# KiCad board FrontEnd_5G.kicad_pcb (continued)
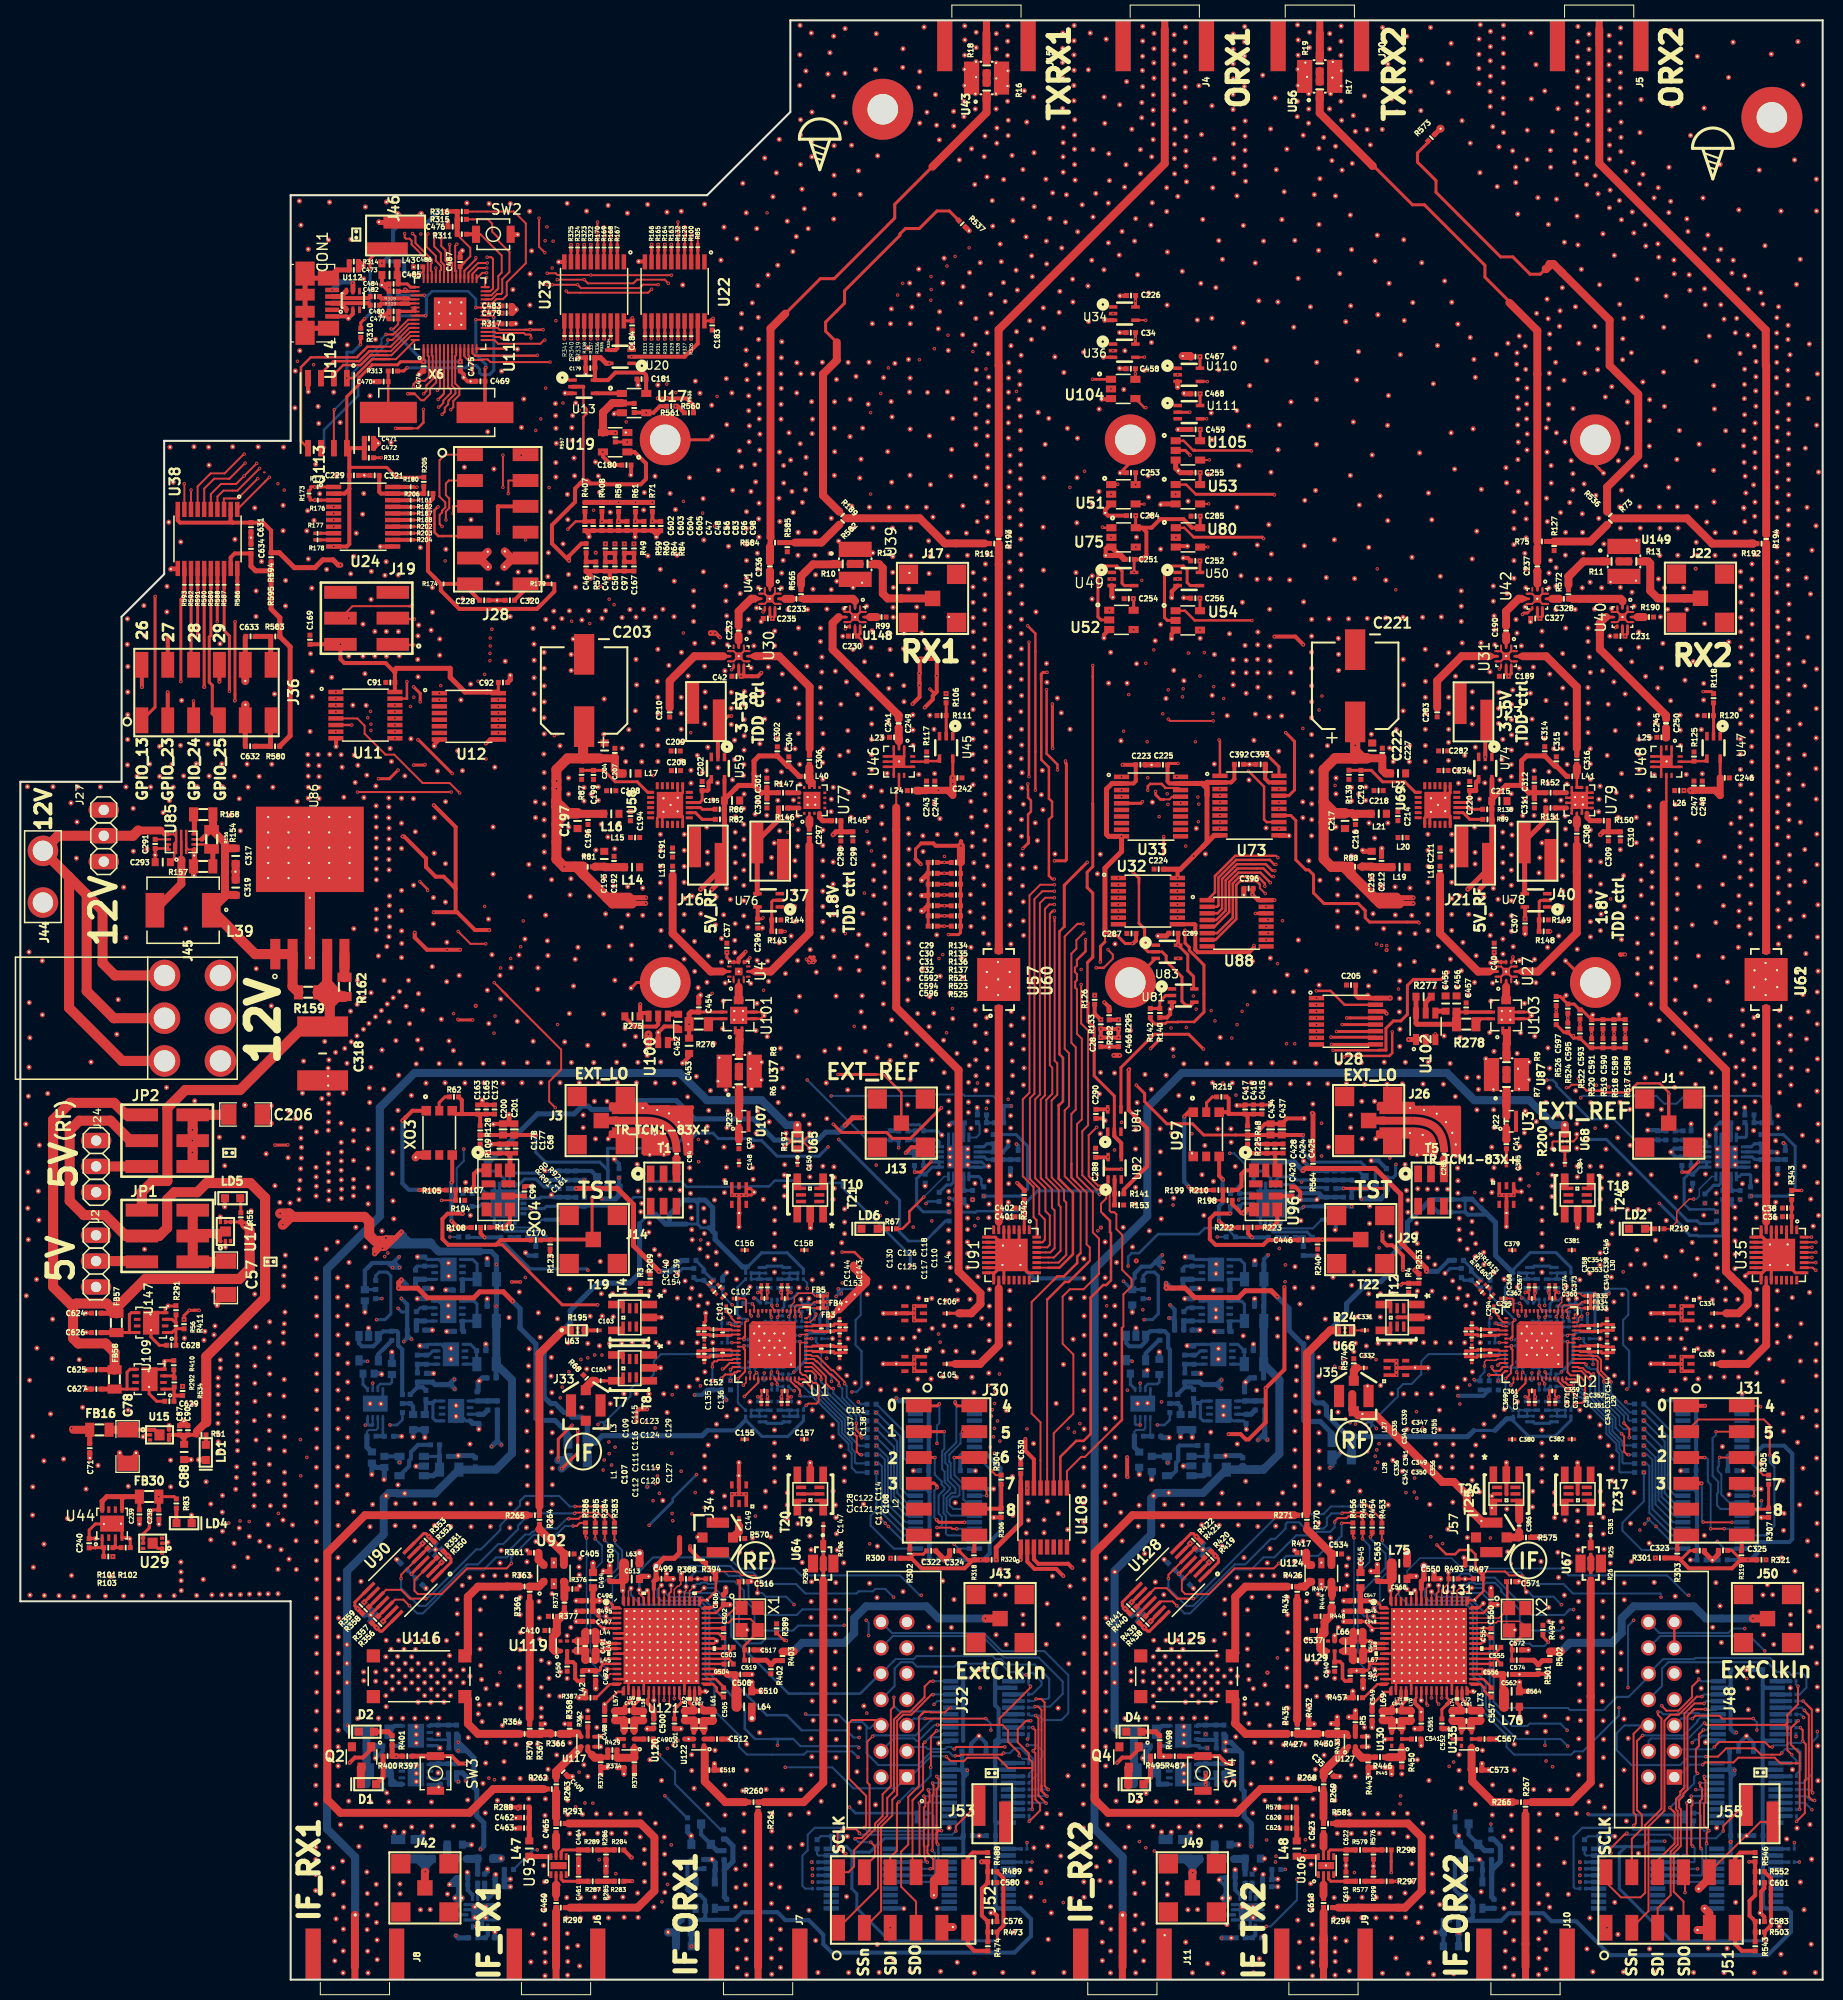
[diagram p0: board, top side]
## Placement (name value [footprint] x y rotation side) (continued)
Ref**#1890  Val**  [VIA_600_400#2]  66.78 79.91 90 top
Ref**#1891  Val**  [VIA_600_400#2]  66.74 81.47 90 top
Ref**#1892  Val**  [VIA_600_400#2]  66.94 79.77 90 top
Ref**#1893  Val**  [VIA_600_400#2]  66.99 79.47 90 top
Ref**#1894  Val**  [VIA_600_400#2]  67.49 78.69 90 top
Ref**#1895  Val**  [VIA_600_400#2]  66.95 78.2 90 top
Ref**#1896  Val**  [VIA_600_400#2]  68.63 82.19 90 top
Ref**#1897  Val**  [VIA_600_400#2]  67.93 77.3 90 top
Ref**#1898  Val**  [VIA_600_400#2]  67.02 79.8 90 top
Ref**#1899  Val**  [VIA_600_400]  67.84 87.39 0 top
Ref**#1900  Val**  [VIA_600_400]  72.47 85.38 0 top
Ref**#1901  Val**  [VIA_600_400]  74.16 75.85 0 top
Ref**#1902  Val**  [VIA_600_400]  77.67 73.9 0 top
Ref**#1903  Val**  [VIA_600_400#2]  66.52 83.24 90 top
Ref**#1904  Val**  [VIA_600_400]  74.15 73.34 0 top
Ref**#1905  Val**  [VIA_600_400]  74.15 74.62 0 top
Ref**#1906  Val**  [VIA_600_400#2]  67.03 82.5 90 top
Ref**#1907  Val**  [VIA_600_400#2]  66.71 82.9 90 top
Ref**#1908  Val**  [VIA_600_400]  80.01 78.85 0 top
Ref**#1909  Val**  [VIA_600_400]  78.89 79.95 0 top
Ref**#1910  Val**  [VIA_600_400]  79.89 76.69 0 top
Ref**#1911  Val**  [VIA_600_400]  80 77.77 0 top
Ref**#1912  Val**  [VIA_600_400]  77.56 84.08 0 top
Ref**#1913  Val**  [VIA_600_400]  74.5 86.22 0 top
Ref**#1914  Val**  [VIA_600_400]  75.69 85.01 0 top
Ref**#1915  Val**  [VIA_600_400]  77 84.97 0 top
Ref**#1916  Val**  [VIA_600_400]  79.98 79.89 0 top
Ref**#1917  Val**  [VIA_600_400]  45.73 7.14 0 top
Ref**#1918  Val**  [VIA_600_400]  45.73 6.1 0 top
Ref**#1919  Val**  [VIA_600_400]  44.68 7.15 0 top
Ref**#1920  Val**  [VIA_600_400]  44.67 6.1 0 top
Ref**#1921  Val**  [VIA_600_400]  46.66 4.71 0 top
Ref**#1922  Val**  [VIA_600_400]  45.92 10.87 0 top
Ref**#1923  Val**  [VIA_600_400]  47.26 11.91 0 top
Ref**#1924  Val**  [VIA_600_400]  48.18 9.88 0 top
Ref**#1925  Val**  [VIA_600_400]  48.18 9.13 0 top
Ref**#1926  Val**  [VIA_600_400]  44.35 13.26 0 top
Ref**#1927  Val**  [VIA_600_400]  88.35 63.83 180 top
Ref**#1928  Val**  [VIA_600_400]  88.19 61.91 180 top
Ref**#1929  Val**  [VIA_600_400]  87.32 57.91 270 top
Ref**#1930  Val**  [VIA_600_400]  88.21 59.03 270 top
Ref**#1931  Val**  [VIA_600_400]  89.37 62.02 270 top
Ref**#1932  Val**  [VIA_600_400]  90.69 61.75 270 top
Ref**#1933  Val**  [VIA_600_400]  87.9 63.13 180 top
Ref**#1934  Val**  [VIA_600_400]  86.73 63.01 180 top
Ref**#1935  Val**  [VIA_600_400]  88.31 66.99 180 top
Ref**#1936  Val**  [VIA_600_400]  89.53 59.05 180 top
Ref**#1937  Val**  [VIA_600_400]  95.2 59.62 270 top
Ref**#1938  Val**  [VIA_600_400]  92.03 59.21 270 top
Ref**#1939  Val**  [VIA_600_400]  93.54 59.21 270 top
Ref**#1940  Val**  [VIA_600_400]  96.54 70.25 270 top
Ref**#1941  Val**  [VIA_600_400]  90.67 59.26 180 top
Ref**#1942  Val**  [VIA_600_400]  87.26 68.03 180 top
Ref**#1943  Val**  [VIA_600_400]  98.27 72.15 180 top
Ref**#1944  Val**  [VIA_600_400]  70.64 50.82 180 top
Ref**#1945  Val**  [VIA_600_400]  96.59 72.15 270 top
Ref**#1946  Val**  [VIA_600_400]  74.12 51.48 270 top
Ref**#1947  Val**  [VIA_600_400]  77.64 50.81 270 top
Ref**#1948  Val**  [VIA_600_400]  97.26 62.59 270 top
Ref**#1949  Val**  [VIA_600_400]  93.74 57.71 180 top
Ref**#1950  Val**  [VIA_600_400]  93.36 66.87 180 top
Ref**#1951  Val**  [VIA_600_400]  89.64 64.01 180 top
Ref**#1952  Val**  [VIA_600_400]  90.79 64.29 180 top
Ref**#1953  Val**  [VIA_600_400]  98.31 70.25 270 top
Ref**#1954  Val**  [VIA_600_400]  93.7 61.67 270 top
Ref**#1955  Val**  [VIA_600_400]  91.93 64.21 270 top
Ref**#1956  Val**  [VIA_600_400]  96.46 60.98 270 top
Ref**#1957  Val**  [VIA_600_400]  90.94 66.75 180 top
Ref**#1958  Val**  [VIA_600_400]  89.59 66.96 180 top
Ref**#1959  Val**  [VIA_600_400]  70.63 49.54 180 top
Ref**#1960  Val**  [VIA_600_400]  73.23 46.45 270 top
Ref**#1961  Val**  [VIA_600_400]  69.22 47.54 180 top
Ref**#1962  Val**  [VIA_600_400]  69.25 46.36 180 top
Ref**#1963  Val**  [VIA_600_400]  75.4 47.86 180 top
Ref**#1964  Val**  [VIA_600_400]  68 47.92 180 top
Ref**#1965  Val**  [VIA_600_400]  73.25 48.01 270 top
Ref**#1966  Val**  [VIA_600_400]  75.4 46.65 270 top
Ref**#1967  Val**  [VIA_600_400]  77.65 44.95 180 top
Ref**#1968  Val**  [VIA_600_400]  75.37 45.37 180 top
Ref**#1969  Val**  [VIA_600_400]  71.97 43.41 180 top
Ref**#1970  Val**  [VIA_600_400]  76.43 44.82 180 top
Ref**#1971  Val**  [VIA_600_400]  74.15 48.94 270 top
Ref**#1972  Val**  [VIA_600_400]  79.89 48.01 270 top
Ref**#1973  Val**  [VIA_600_400]  80.99 49 180 top
Ref**#1974  Val**  [VIA_600_400]  80.12 46.65 180 top
Ref**#1975  Val**  [VIA_600_400]  77.7 46.18 270 top
Ref**#1976  Val**  [VIA_600_400]  74.13 50.28 180 top
Ref**#1977  Val**  [VIA_600_400]  80.17 45.42 180 top
Ref**#1978  Val**  [VIA_600_400]  67.27 50.31 180 top
Ref**#1979  Val**  [VIA_600_400]  67.26 51.5 180 top
Ref**#1980  Val**  [VIA_600_400]  67.29 49.06 270 top
Ref**#1981  Val**  [VIA_600_400]  63.16 47.09 180 top
Ref**#1982  Val**  [VIA_600_400]  80.94 40.97 270 top
Ref**#1983  Val**  [VIA_600_400]  77.62 43.6 180 top
Ref**#1984  Val**  [VIA_600_400]  80.3 42.23 180 top
Ref**#1985  Val**  [VIA_600_400]  76.86 41 270 top
Ref**#1986  Val**  [VIA_600_400]  81.02 50.3 270 top
Ref**#1987  Val**  [VIA_600_400]  80.63 52.43 180 top
Ref**#1988  Val**  [VIA_600_400]  81.02 51.48 180 top
Ref**#1989  Val**  [VIA_600_400]  77.74 42.25 270 top
Ref**#1990  Val**  [VIA_600_400]  80.23 43.82 270 top
Ref**#1991  Val**  [VIA_600_400]  97.27 67.73 0 top
Ref**#1992  Val**  [VIA_600_400]  97.25 64.35 0 top
Ref**#1993  Val**  [VIA_600_400]  97.24 65.9 0 top
Ref**#1994  Val**  [VIA_600_400]  95.23 64.37 0 top
Ref**#1995  Val**  [VIA_600_400]  95.24 62.82 0 top
Ref**#1996  Val**  [VIA_600_400]  95.26 66.2 0 top
Ref**#1997  Val**  [VIA_600_400]  95.26 67.84 0 top
Ref**#1998  Val**  [VIA_600_400]  94.51 65.02 0 top
Ref**#1999  Val**  [VIA_600_400]  93.34 64.29 0 top
Ref**#2000  Val**  [VIA_600_400]  92.15 67.77 0 top
Ref**#2001  Val**  [VIA_600_400]  91.42 68.73 0 top
Ref**#2002  Val**  [VIA_600_400]  91.41 69.99 0 top
Ref**#2003  Val**  [VIA_600_400]  91.25 72.5 0 top
Ref**#2004  Val**  [VIA_600_400]  91.25 73.68 0 top
Ref**#2005  Val**  [VIA_600_400]  91.3 71.38 0 top
Ref**#2006  Val**  [VIA_600_400]  93.11 70 0 top
Ref**#2007  Val**  [VIA_600_400]  93.11 75.99 0 top
Ref**#2008  Val**  [VIA_600_400]  93.12 73.73 0 top
Ref**#2009  Val**  [VIA_600_400]  93.12 74.85 0 top
Ref**#2010  Val**  [VIA_600_400]  93.1 72.5 0 top
Ref**#2011  Val**  [VIA_600_400]  93.14 71.38 0 top
Ref**#2012  Val**  [VIA_600_400]  94.14 69.1 0 top
Ref**#2013  Val**  [VIA_600_400]  91.29 85.25 0 top
Ref**#2014  Val**  [VIA_600_400]  91.3 84 0 top
Ref**#2015  Val**  [VIA_600_400]  90.58 83.01 0 top
Ref**#2016  Val**  [VIA_600_400]  93.2 85.24 0 top
Ref**#2017  Val**  [VIA_600_400]  97.35 84.92 0 top
Ref**#2018  Val**  [VIA_600_400]  97.35 83.71 0 top
Ref**#2019  Val**  [VIA_600_400]  97.11 82.39 0 top
Ref**#2020  Val**  [VIA_600_400]  97.31 79.03 0 top
Ref**#2021  Val**  [VIA_600_400]  97.15 78.24 0 top
Ref**#2022  Val**  [VIA_600_400]  97.13 74.86 0 top
Ref**#2023  Val**  [VIA_600_400]  97.12 76.41 0 top
Ref**#2024  Val**  [VIA_600_400]  94.94 83.46 0 top
Ref**#2025  Val**  [VIA_600_400]  95.22 76.23 0 top
Ref**#2026  Val**  [VIA_600_400]  95.21 74.9 0 top
Ref**#2027  Val**  [VIA_600_400]  95.25 78.52 0 top
Ref**#2028  Val**  [VIA_600_400]  95.19 79.95 0 top
Ref**#2029  Val**  [VIA_600_400]  93.45 83.67 0 top
Ref**#2030  Val**  [VIA_600_400]  93.84 78.27 0 top
Ref**#2031  Val**  [VIA_600_400]  93.13 80.09 0 top
Ref**#2032  Val**  [VIA_600_400]  93.13 80.86 0 top
Ref**#2033  Val**  [VIA_600_400]  93.13 81.64 0 top
Ref**#2034  Val**  [VIA_600_400]  91.37 81.64 0 top
Ref**#2035  Val**  [VIA_600_400]  91.37 80.86 0 top
Ref**#2036  Val**  [VIA_600_400]  91.37 80.09 0 top
Ref**#2037  Val**  [VIA_600_400]  91.22 76.2 0 top
Ref**#2038  Val**  [VIA_600_400]  91.26 77.47 0 top
Ref**#2039  Val**  [VIA_600_400]  90.28 79.23 0 top
Ref**#2040  Val**  [VIA_600_400]  71.77 89.53 0 top
Ref**#2041  Val**  [VIA_600_400]  72.82 88.44 0 top
Ref**#2042  Val**  [VIA_600_400]  72.85 90.18 0 top
Ref**#2043  Val**  [VIA_600_400]  71.69 91.03 0 top
Ref**#2044  Val**  [VIA_600_400]  71.88 87.55 0 top
Ref**#2045  Val**  [VIA_600_400]  73.42 92.69 0 top
Ref**#2046  Val**  [VIA_600_400]  74.71 91.55 0 top
Ref**#2047  Val**  [VIA_600_400]  74.89 89.56 0 top
Ref**#2048  Val**  [VIA_600_400]  74.99 87.68 0 top
Ref**#2049  Val**  [VIA_600_400]  70.62 99.09 0 top
Ref**#2050  Val**  [VIA_600_400]  38.92 24.87 0 top
Ref**#2051  Val**  [VIA_600_400]  38.92 24.09 0 top
Ref**#2052  Val**  [VIA_600_400]  38.93 23.25 0 top
Ref**#2053  Val**  [VIA_600_400]  38.92 21.07 0 top
Ref**#2054  Val**  [VIA_600_400]  38.93 20.27 0 top
Ref**#2055  Val**  [VIA_600_400]  38.93 19.47 0 top
Ref**#2056  Val**  [VIA_600_400]  41.08 24.13 0 top
Ref**#2057  Val**  [VIA_600_400]  49.11 39.71 0 top
Ref**#2058  Val**  [VIA_600_400]  44.17 39.52 0 top
Ref**#2059  Val**  [VIA_600_400]  43.44 38.75 0 top
Ref**#2060  Val**  [VIA_600_400]  42.94 37.37 0 top
Ref**#2061  Val**  [VIA_600_400]  42.95 35.95 0 top
Ref**#2062  Val**  [VIA_600_400]  52.26 37.93 0 top
Ref**#2063  Val**  [VIA_600_400]  73.75 43.51 0 top
Ref**#2064  Val**  [VIA_600_400]  74.04 41.1 0 top
Ref**#2065  Val**  [VIA_600_400]  30.32 13 0 top
Ref**#2066  Val**  [VIA_600_400]  33.28 13.09 0 top
Ref**#2067  Val**  [VIA_600_400]  45.89 66.92 0 top
Ref**#2068  Val**  [VIA_600_400]  45.89 70.89 0 top
Ref**#2069  Val**  [VIA_600_400]  41.82 67.79 0 top
Ref**#2070  Val**  [VIA_600_400]  40.47 67.95 0 top
Ref**#2071  Val**  [VIA_600_400]  39.04 71.05 0 top
Ref**#2072  Val**  [VIA_600_400]  39.02 66.93 0 top
Ref**#2073  Val**  [VIA_600_400]  40.5 63.84 0 top
Ref**#2074  Val**  [VIA_600_400]  41.91 63.71 0 top
Ref**#2075  Val**  [VIA_600_400]  45.75 62.47 0 top
Ref**#2076  Val**  [VIA_600_400]  39.27 62.31 0 top
Ref**#2077  Val**  [VIA_600_400]  45.11 58.85 0 top
Ref**#2078  Val**  [VIA_600_400]  40.62 59.58 0 top
Ref**#2079  Val**  [VIA_600_400]  45.07 54.1 0 top
Ref**#2080  Val**  [VIA_600_400]  33.87 65.6 0 top
Ref**#2081  Val**  [VIA_600_400]  58 56.61 90 top
Ref**#2082  Val**  [VIA_600_400]  37.48 53.4 0 top
Ref**#2083  Val**  [VIA_600_400]  38.61 53.34 0 top
Ref**#2084  Val**  [VIA_600_400]  39.76 53.29 0 top
Ref**#2085  Val**  [VIA_600_400]  35.52 59.5 0 top
Ref**#2086  Val**  [VIA_600_400]  36.52 61.69 0 top
Ref**#2087  Val**  [VIA_600_400]  34.23 64.05 0 top
Ref**#2088  Val**  [VIA_600_400]  34.55 49.65 0 top
Ref**#2089  Val**  [VIA_600_400]  35.75 49.15 0 top
Ref**#2090  Val**  [VIA_600_400]  37.12 48.63 0 top
Ref**#2091  Val**  [VIA_600_400]  38.89 50.46 0 top
Ref**#2092  Val**  [VIA_600_400]  43.05 51.51 0 top
Ref**#2093  Val**  [VIA_600_400]  44.2 52.64 0 top
Ref**#2094  Val**  [VIA_600_400]  62.71 93.1 0 top
Ref**#2095  Val**  [VIA_600_400]  98.33 51.14 0 top
Ref**#2096  Val**  [VIA_600_400]  80.53 91.52 0 top
Ref**#2097  Val**  [VIA_600_400]  126.14 80.45 0 top
Ref**#2098  Val**  [VIA_600_400]  46.31 82.12 0 top
Ref**#2099  Val**  [VIA_600_400]  46.5 84.07 0 top
Ref**#2100  Val**  [VIA_600_400]  49.66 71.45 0 top
Ref**#2101  Val**  [VIA_600_400]  49.05 67.59 0 top
Ref**#2102  Val**  [VIA_600_400]  51.59 79.52 0 top
Ref**#2103  Val**  [VIA_600_400]  57.01 70.59 0 top
Ref**#2104  Val**  [VIA_600_400]  54.01 67.89 0 top
Ref**#2105  Val**  [VIA_600_400]  58.38 80.65 0 top
Ref**#2106  Val**  [VIA_600_400]  50.32 78 0 top
Ref**#2107  Val**  [VIA_600_400]  50.92 65.55 0 top
Ref**#2108  Val**  [VIA_600_400]  48.04 65.08 0 top
Ref**#2109  Val**  [VIA_600_400]  19.13 64.25 0 top
Ref**#2110  Val**  [VIA_600_400]  23.06 56.84 0 top
Ref**#2111  Val**  [VIA_600_400]  19.45 56.54 0 top
Ref**#2112  Val**  [VIA_600_400]  23.17 53.04 0 top
Ref**#2113  Val**  [VIA_600_400]  23.06 60.31 0 top
Ref**#2114  Val**  [VIA_600_400]  21.27 50.4 0 top
Ref**#2115  Val**  [VIA_600_400]  21.26 62.55 0 top
Ref**#2116  Val**  [VIA_600_400]  23.17 64.15 0 top
Ref**#2117  Val**  [VIA_600_400]  26.05 71.21 0 top
Ref**#2118  Val**  [VIA_600_400]  18.26 48.94 0 top
Ref**#2119  Val**  [VIA_600_400]  21.17 48.2 0 top
Ref**#2120  Val**  [VIA_600_400]  33.48 39.14 0 top
Ref**#2121  Val**  [VIA_600_400]  27.13 40.31 0 top
Ref**#2122  Val**  [VIA_600_400]  22.97 46.55 0 top
Ref**#2123  Val**  [VIA_600_400]  16.91 56.57 0 top
Ref**#2124  Val**  [VIA_600_400]  25.97 49.87 0 top
Ref**#2125  Val**  [VIA_600_400]  24.37 44.72 0 top
Ref**#2126  Val**  [VIA_600_400]  25.97 53.36 0 top
Ref**#2127  Val**  [VIA_600_400]  24.4 48.97 0 top
Ref**#2128  Val**  [VIA_600_400]  25.94 58.99 0 top
Ref**#2129  Val**  [VIA_600_400]  24.47 62.67 0 top
Ref**#2130  Val**  [VIA_600_400]  24.49 55.46 0 top
Ref**#2131  Val**  [VIA_600_400]  25.33 40.33 0 top
Ref**#2132  Val**  [VIA_600_400]  22.51 43.56 0 top
Ref**#2133  Val**  [VIA_600_400]  26.76 44.69 0 top
Ref**#2134  Val**  [VIA_600_400]  25.99 46.56 0 top
Ref**#2135  Val**  [VIA_600_400]  21.01 40.58 0 top
Ref**#2136  Val**  [VIA_600_400]  18.72 46.75 0 top
Ref**#2137  Val**  [VIA_600_400]  18.72 43.23 0 top
Ref**#2138  Val**  [VIA_600_400]  22.36 41.49 0 top
Ref**#2139  Val**  [VIA_600_400]  19.87 47.59 0 top
Ref**#2140  Val**  [VIA_600_400]  19.87 44.07 0 top
Ref**#2141  Val**  [VIA_600_400]  63.58 55.75 0 top
Ref**#2142  Val**  [VIA_600_400]  113.37 76.81 0 top
Ref**#2143  Val**  [VIA_600_400]  125.88 74.6 0 top
Ref**#2144  Val**  [VIA_600_400]  132.79 80.5 0 top
Ref**#2145  Val**  [VIA_600_400]  125.82 76.65 0 top
Ref**#2146  Val**  [VIA_600_400]  129.25 73.69 0 top
Ref**#2147  Val**  [VIA_600_400]  132.64 69.78 0 top
Ref**#2148  Val**  [VIA_600_400]  137.32 72.35 0 top
Ref**#2149  Val**  [VIA_600_400]  137.25 73.35 0 top
Ref**#2150  Val**  [VIA_600_400]  134.67 73.09 0 top
Ref**#2151  Val**  [VIA_600_400]  125.28 68.01 0 top
Ref**#2152  Val**  [VIA_600_400]  130.87 68.25 0 top
Ref**#2153  Val**  [VIA_600_400]  129.04 69.05 0 top
Ref**#2154  Val**  [VIA_600_400]  125.3 70.08 0 top
Ref**#2155  Val**  [VIA_600_400]  125.79 66.41 0 top
Ref**#2156  Val**  [VIA_600_400]  123.59 63.23 0 top
Ref**#2157  Val**  [VIA_600_400]  123.56 64.99 0 top
Ref**#2158  Val**  [VIA_600_400]  120.21 63.28 0 top
Ref**#2159  Val**  [VIA_600_400]  121.54 57.92 0 top
Ref**#2160  Val**  [VIA_600_400]  127.06 68 0 top
Ref**#2161  Val**  [VIA_600_400]  32.78 103.3 0 top
Ref**#2162  Val**  [VIA_600_400]  40.7 114.21 0 top
Ref**#2163  Val**  [VIA_600_400]  38.66 107.57 0 top
Ref**#2164  Val**  [VIA_600_400]  41.8 115.78 0 top
Ref**#2165  Val**  [VIA_600_400]  41.79 109.69 0 top
Ref**#2166  Val**  [VIA_600_400]  41.79 105.91 0 top
Ref**#2167  Val**  [VIA_600_400]  40.6 103.78 0 top
Ref**#2168  Val**  [VIA_600_400]  41.93 101.96 0 top
Ref**#2169  Val**  [VIA_600_400]  20.09 80 0 top
Ref**#2170  Val**  [VIA_600_400]  21.91 82.79 0 top
Ref**#2171  Val**  [VIA_600_400]  24.16 81.17 0 top
Ref**#2172  Val**  [VIA_600_400]  19.57 82.8 0 top
Ref**#2173  Val**  [VIA_600_400]  22.68 75.56 0 top
Ref**#2174  Val**  [VIA_600_400]  27.06 84.63 0 top
Ref**#2175  Val**  [VIA_600_400]  26.32 80.79 0 top
Ref**#2176  Val**  [VIA_600_400]  25.03 78.03 0 top
Ref**#2177  Val**  [VIA_600_400]  16.13 63.05 0 top
Ref**#2178  Val**  [VIA_600_400]  12.21 71.79 0 top
Ref**#2179  Val**  [VIA_600_400]  26.51 76.34 0 top
Ref**#2180  Val**  [VIA_600_400]  30.28 80.27 0 top
Ref**#2181  Val**  [VIA_600_400]  29.08 77.02 0 top
Ref**#2182  Val**  [VIA_600_400]  25.89 68.16 0 top
Ref**#2183  Val**  [VIA_600_400]  31.56 76.79 0 top
Ref**#2184  Val**  [VIA_600_400]  23.04 67.38 0 top
Ref**#2185  Val**  [VIA_600_400]  32.75 83.51 0 top
Ref**#2186  Val**  [VIA_600_400]  42.28 73.7 0 top
Ref**#2187  Val**  [VIA_600_400]  32.75 77.84 0 top
Ref**#2188  Val**  [VIA_600_400]  44.24 75.12 0 top
Ref**#2189  Val**  [VIA_600_400]  38.85 80.82 0 top
Ref**#2190  Val**  [VIA_600_400]  43.77 78.36 0 top
Ref**#2191  Val**  [VIA_600_400]  48.04 85.01 0 top
Ref**#2192  Val**  [VIA_600_400]  102.54 60.47 0 top
Ref**#2193  Val**  [VIA_600_400]  103.49 62.95 0 top
Ref**#2194  Val**  [VIA_600_400]  103.24 66.97 0 top
Ref**#2195  Val**  [VIA_600_400]  110.53 41.87 0 top
Ref**#2196  Val**  [VIA_600_400]  112.4 37.83 0 top
Ref**#2197  Val**  [VIA_600_400]  111.57 39.08 0 top
Ref**#2198  Val**  [VIA_600_400]  120.28 41.48 0 top
Ref**#2199  Val**  [VIA_600_400]  118.11 42.61 0 top
Ref**#2200  Val**  [VIA_600_400]  140.33 44.27 0 top
Ref**#2201  Val**  [VIA_600_400]  134.46 46.66 0 top
Ref**#2202  Val**  [VIA_600_400]  140.77 50.31 0 top
Ref**#2203  Val**  [VIA_600_400]  140.85 52.62 0 top
Ref**#2204  Val**  [VIA_600_400]  140.81 46.93 0 top
Ref**#2205  Val**  [VIA_600_400]  139.57 50.36 0 top
Ref**#2206  Val**  [VIA_600_400]  139.25 51.5 0 top
Ref**#2207  Val**  [VIA_600_400]  130.55 48.95 0 top
Ref**#2208  Val**  [VIA_600_400]  136.31 54.09 0 top
Ref**#2209  Val**  [VIA_600_400]  136.1 51.43 0 top
Ref**#2210  Val**  [VIA_600_400]  134.58 52.58 0 top
Ref**#2211  Val**  [VIA_600_400]  135.84 49.98 0 top
Ref**#2212  Val**  [VIA_600_400]  134.92 51.06 0 top
Ref**#2213  Val**  [VIA_600_400]  140.75 51.45 0 top
Ref**#2214  Val**  [VIA_600_400]  139.13 52.65 0 top
Ref**#2215  Val**  [VIA_600_400]  139.51 54.07 0 top
Ref**#2216  Val**  [VIA_600_400]  140.86 54.04 0 top
Ref**#2217  Val**  [VIA_600_400]  139.5 55.98 0 top
Ref**#2218  Val**  [VIA_600_400]  158.63 47.88 0 top
Ref**#2219  Val**  [VIA_600_400]  160.12 42.9 0 top
Ref**#2220  Val**  [VIA_600_400]  151.21 39.54 0 top
Ref**#2221  Val**  [VIA_600_400]  151.78 37.79 0 top
Ref**#2222  Val**  [VIA_600_400]  150.24 36.58 0 top
Ref**#2223  Val**  [VIA_600_400]  150.25 35.21 0 top
Ref**#2224  Val**  [VIA_600_400]  151.53 33.66 0 top
Ref**#2225  Val**  [VIA_600_400]  151.47 35.2 0 top
Ref**#2226  Val**  [VIA_600_400]  149.88 25.9 0 top
Ref**#2227  Val**  [VIA_600_400]  149.92 24.4 0 top
Ref**#2228  Val**  [VIA_600_400]  152.13 25.67 0 top
Ref**#2229  Val**  [VIA_600_400]  158.05 23.72 0 top
Ref**#2230  Val**  [VIA_600_400]  165.23 28.64 0 top
Ref**#2231  Val**  [VIA_600_400]  165.54 43.66 0 top
Ref**#2232  Val**  [VIA_600_400]  167.97 47.68 0 top
Ref**#2233  Val**  [VIA_600_400]  167.32 52.39 0 top
Ref**#2234  Val**  [VIA_600_400]  171.08 50.75 0 top
Ref**#2235  Val**  [VIA_600_400]  162.68 37.68 0 top
Ref**#2236  Val**  [VIA_600_400]  173.99 28.68 0 top
Ref**#2237  Val**  [VIA_600_400]  150.16 29.93 0 top
Ref**#2238  Val**  [VIA_600_400]  45.4 86.43 0 top
Ref**#2239  Val**  [VIA_600_400]  67.47 82.33 0 top
Ref**#2240  Val**  [VIA_600_400]  67.53 83.86 0 top
Ref**#2241  Val**  [VIA_600_400]  68.71 90.62 0 top
Ref**#2242  Val**  [VIA_600_400]  68.61 88.31 0 top
Ref**#2243  Val**  [VIA_600_400]  79.22 88.14 0 top
Ref**#2244  Val**  [VIA_600_400]  81.33 87.45 0 top
Ref**#2245  Val**  [VIA_600_400]  83.06 91.25 0 top
Ref**#2246  Val**  [VIA_600_400]  87.47 88.48 0 top
Ref**#2247  Val**  [VIA_600_400]  87.23 85.99 0 top
Ref**#2248  Val**  [VIA_600_400]  87.01 90.77 0 top
Ref**#2249  Val**  [VIA_600_400]  90.42 98.63 0 top
Ref**#2250  Val**  [VIA_600_400]  92.65 98.54 0 top
Ref**#2251  Val**  [VIA_600_400]  88.67 99.37 0 top
Ref**#2252  Val**  [VIA_600_400]  90.08 102.69 0 top
Ref**#2253  Val**  [VIA_600_400]  95.19 101.78 0 top
Ref**#2254  Val**  [VIA_600_400]  141.53 92.6 0 top
Ref**#2255  Val**  [VIA_600_400]  139.96 92.76 0 top
Ref**#2256  Val**  [VIA_600_400]  157.13 94.88 0 top
Ref**#2257  Val**  [VIA_600_400]  151.95 96.75 0 top
Ref**#2258  Val**  [VIA_600_400]  154.56 94.83 0 top
Ref**#2259  Val**  [VIA_600_400]  162.74 76.9 0 top
Ref**#2260  Val**  [VIA_600_400]  164.18 77.56 0 top
Ref**#2261  Val**  [VIA_600_400]  160.74 72.67 0 top
Ref**#2262  Val**  [VIA_600_400]  158.3 70.27 0 top
Ref**#2263  Val**  [VIA_600_400]  164.85 70.86 0 top
Ref**#2264  Val**  [VIA_600_400]  126.19 84.65 0 top
Ref**#2265  Val**  [VIA_600_400]  122.9 86.1 0 top
Ref**#2266  Val**  [VIA_600_400]  121.86 83.65 0 top
Ref**#2267  Val**  [VIA_600_400]  121.69 82.16 0 top
Ref**#2268  Val**  [VIA_600_400]  119.01 83.62 0 top
Ref**#2269  Val**  [VIA_600_400]  116.44 81.99 0 top
Ref**#2270  Val**  [VIA_600_400]  119.03 82.31 0 top
Ref**#2271  Val**  [VIA_600_400]  117.72 83.61 0 top
Ref**#2272  Val**  [VIA_600_400]  119.59 85.93 0 top
Ref**#2273  Val**  [VIA_600_400]  115.17 81.22 0 top
Ref**#2274  Val**  [VIA_600_400]  128.6 81.84 0 top
Ref**#2275  Val**  [VIA_600_400]  156.4 69.04 0 top
Ref**#2276  Val**  [VIA_600_400]  164.24 84.12 0 top
Ref**#2277  Val**  [VIA_600_400]  159.97 83.5 0 top
Ref**#2278  Val**  [VIA_600_400]  162.25 81.35 0 top
Ref**#2279  Val**  [VIA_600_400]  164.67 73.78 0 top
Ref**#2280  Val**  [VIA_600_400]  161.8 74.62 0 top
Ref**#2281  Val**  [VIA_600_400]  160.15 75.67 0 top
Ref**#2282  Val**  [VIA_600_400]  164.64 69.27 0 top
Ref**#2283  Val**  [VIA_600_400]  164.35 72.45 0 top
Ref**#2284  Val**  [VIA_600_400]  163.33 71.62 0 top
Ref**#2285  Val**  [VIA_600_400]  157.24 86.23 0 top
Ref**#2286  Val**  [VIA_600_400]  158.21 85.54 0 top
Ref**#2287  Val**  [VIA_600_400]  158.24 82 0 top
Ref**#2288  Val**  [VIA_600_400]  157.03 82.75 0 top
Ref**#2289  Val**  [VIA_600_400]  161.76 71.06 0 top
Ref**#2290  Val**  [VIA_600_400]  158.92 71.74 0 top
Ref**#2291  Val**  [VIA_600_400]  157.99 75.69 0 top
Ref**#2292  Val**  [VIA_600_400]  159.02 75.7 0 top
Ref**#2293  Val**  [VIA_600_400]  157.08 79.12 0 top
Ref**#2294  Val**  [VIA_600_400]  158.25 79.22 0 top
Ref**#2295  Val**  [VIA_600_400]  160.32 79.11 0 top
Ref**#2296  Val**  [VIA_600_400]  159.99 85.02 0 top
Ref**#2297  Val**  [VIA_600_400]  155.89 83.89 0 top
Ref**#2298  Val**  [VIA_600_400]  156.12 86.04 0 top
Ref**#2299  Val**  [VIA_600_400]  152.89 87.37 0 top
Ref**#2300  Val**  [VIA_600_400]  154.36 86.19 0 top
Ref**#2301  Val**  [VIA_600_400]  165.48 75.13 0 top
Ref**#2302  Val**  [VIA_600_400]  155.87 81.63 0 top
Ref**#2303  Val**  [VIA_600_400]  159.72 88.64 0 top
Ref**#2304  Val**  [VIA_600_400]  160.86 89.07 0 top
Ref**#2305  Val**  [VIA_600_400]  161.31 85.54 0 top
Ref**#2306  Val**  [VIA_600_400]  162.63 87.7 0 top
Ref**#2307  Val**  [VIA_600_400]  159.69 70.32 0 top
Ref**#2308  Val**  [VIA_600_400]  157.67 37.33 0 top
Ref**#2309  Val**  [VIA_600_400]  157.67 38.98 0 top
Ref**#2310  Val**  [VIA_600_400]  151.13 42 0 top
Ref**#2311  Val**  [VIA_600_400]  158.37 41.09 0 top
Ref**#2312  Val**  [VIA_600_400]  160.61 39.05 0 top
Ref**#2313  Val**  [VIA_600_400]  158.28 44.85 0 top
Ref**#2314  Val**  [VIA_600_400]  155.73 16.93 0 top
Ref**#2315  Val**  [VIA_600_400]  161.92 15.56 0 top
Ref**#2316  Val**  [VIA_600_400]  159.69 17.02 0 top
Ref**#2317  Val**  [VIA_600_400]  173.64 13.83 0 top
Ref**#2318  Val**  [VIA_600_400]  174.65 14.89 0 top
Ref**#2319  Val**  [VIA_600_400]  174.2 20.64 0 top
Ref**#2320  Val**  [VIA_600_400]  155.61 15.52 0 top
Ref**#2321  Val**  [VIA_600_400]  157.88 15.59 0 top
Ref**#2322  Val**  [VIA_600_400]  151.77 11.5 0 top
Ref**#2323  Val**  [VIA_600_400]  143.6 8.64 0 top
Ref**#2324  Val**  [VIA_600_400]  152.18 8.39 0 top
Ref**#2325  Val**  [VIA_600_400]  145.83 8.81 0 top
Ref**#2326  Val**  [VIA_600_400]  145.83 14.04 0 top
Ref**#2327  Val**  [VIA_600_400]  145.96 4.64 0 top
Ref**#2328  Val**  [VIA_600_400]  145.84 7.02 0 top
Ref**#2329  Val**  [VIA_600_400]  145.97 2.82 0 top
Ref**#2330  Val**  [VIA_600_400]  145.95 1.2 0 top
Ref**#2331  Val**  [VIA_600_400]  70.3 7.18 0 top
Ref**#2332  Val**  [VIA_600_400]  70.34 10.86 0 top
Ref**#2333  Val**  [VIA_600_400]  70.36 9.06 0 top
Ref**#2334  Val**  [VIA_600_400]  70.48 2.99 0 top
Ref**#2335  Val**  [VIA_600_400]  70.47 4.92 0 top
Ref**#2336  Val**  [VIA_600_400]  70.49 1.17 0 top
Ref**#2337  Val**  [VIA_600_400]  149.92 4.68 0 top
Ref**#2338  Val**  [VIA_600_400]  150.14 8.35 0 top
Ref**#2339  Val**  [VIA_600_400]  150.33 7.12 0 top
Ref**#2340  Val**  [VIA_600_400]  149.99 1.03 0 top
Ref**#2341  Val**  [VIA_600_400]  149.98 2.96 0 top
Ref**#2342  Val**  [VIA_600_400]  154.29 6.06 0 top
Ref**#2343  Val**  [VIA_600_400]  151.02 13.88 0 top
Ref**#2344  Val**  [VIA_600_400]  159.06 12.4 0 top
Ref**#2345  Val**  [VIA_600_400]  157.64 20.6 0 top
Ref**#2346  Val**  [VIA_600_400]  110.35 5.5 0 top
Ref**#2347  Val**  [VIA_600_400]  110.43 9.49 0 top
Ref**#2348  Val**  [VIA_600_400]  99.29 10.8 0 top
Ref**#2349  Val**  [VIA_600_400]  110.42 1.85 0 top
Ref**#2350  Val**  [VIA_600_400]  110.41 3.78 0 top
Ref**#2351  Val**  [VIA_600_400]  98.94 9.55 0 top
Ref**#2352  Val**  [VIA_600_400]  35.01 5.62 0 top
Ref**#2353  Val**  [VIA_600_400]  34.99 9.37 0 top
Ref**#2354  Val**  [VIA_600_400]  35 7.44 0 top
Ref**#2355  Val**  [VIA_600_400]  35.08 1.97 0 top
Ref**#2356  Val**  [VIA_600_400]  35.07 3.9 0 top
Ref**#2357  Val**  [VIA_600_400]  75.46 7.05 0 top
Ref**#2358  Val**  [VIA_600_400]  74.65 9.09 0 top
Ref**#2359  Val**  [VIA_600_400]  77.53 6.81 0 top
Ref**#2360  Val**  [VIA_600_400]  74.72 3.01 0 top
Ref**#2361  Val**  [VIA_600_400]  74.71 4.94 0 top
Ref**#2362  Val**  [VIA_600_400]  74.73 1.19 0 top
Ref**#2363  Val**  [VIA_600_400]  105.79 11.1 0 top
Ref**#2364  Val**  [VIA_600_400]  106.12 9.74 0 top
Ref**#2365  Val**  [VIA_600_400]  106.35 3.69 0 top
Ref**#2366  Val**  [VIA_600_400]  106.34 5.62 0 top
